# Altium PCB AIWAC-bolster-V02_Change_comment.PcbDoc (part 2 of 2)
Units mm, origin at the board's own origin, x right, y up, seen from the top; angles counter-clockwise.
Board outline 76 x 70 mm, 2 copper layers (Top Layer, Bottom Layer); 187 components, 126 nets, 678 pads, 558 vias.
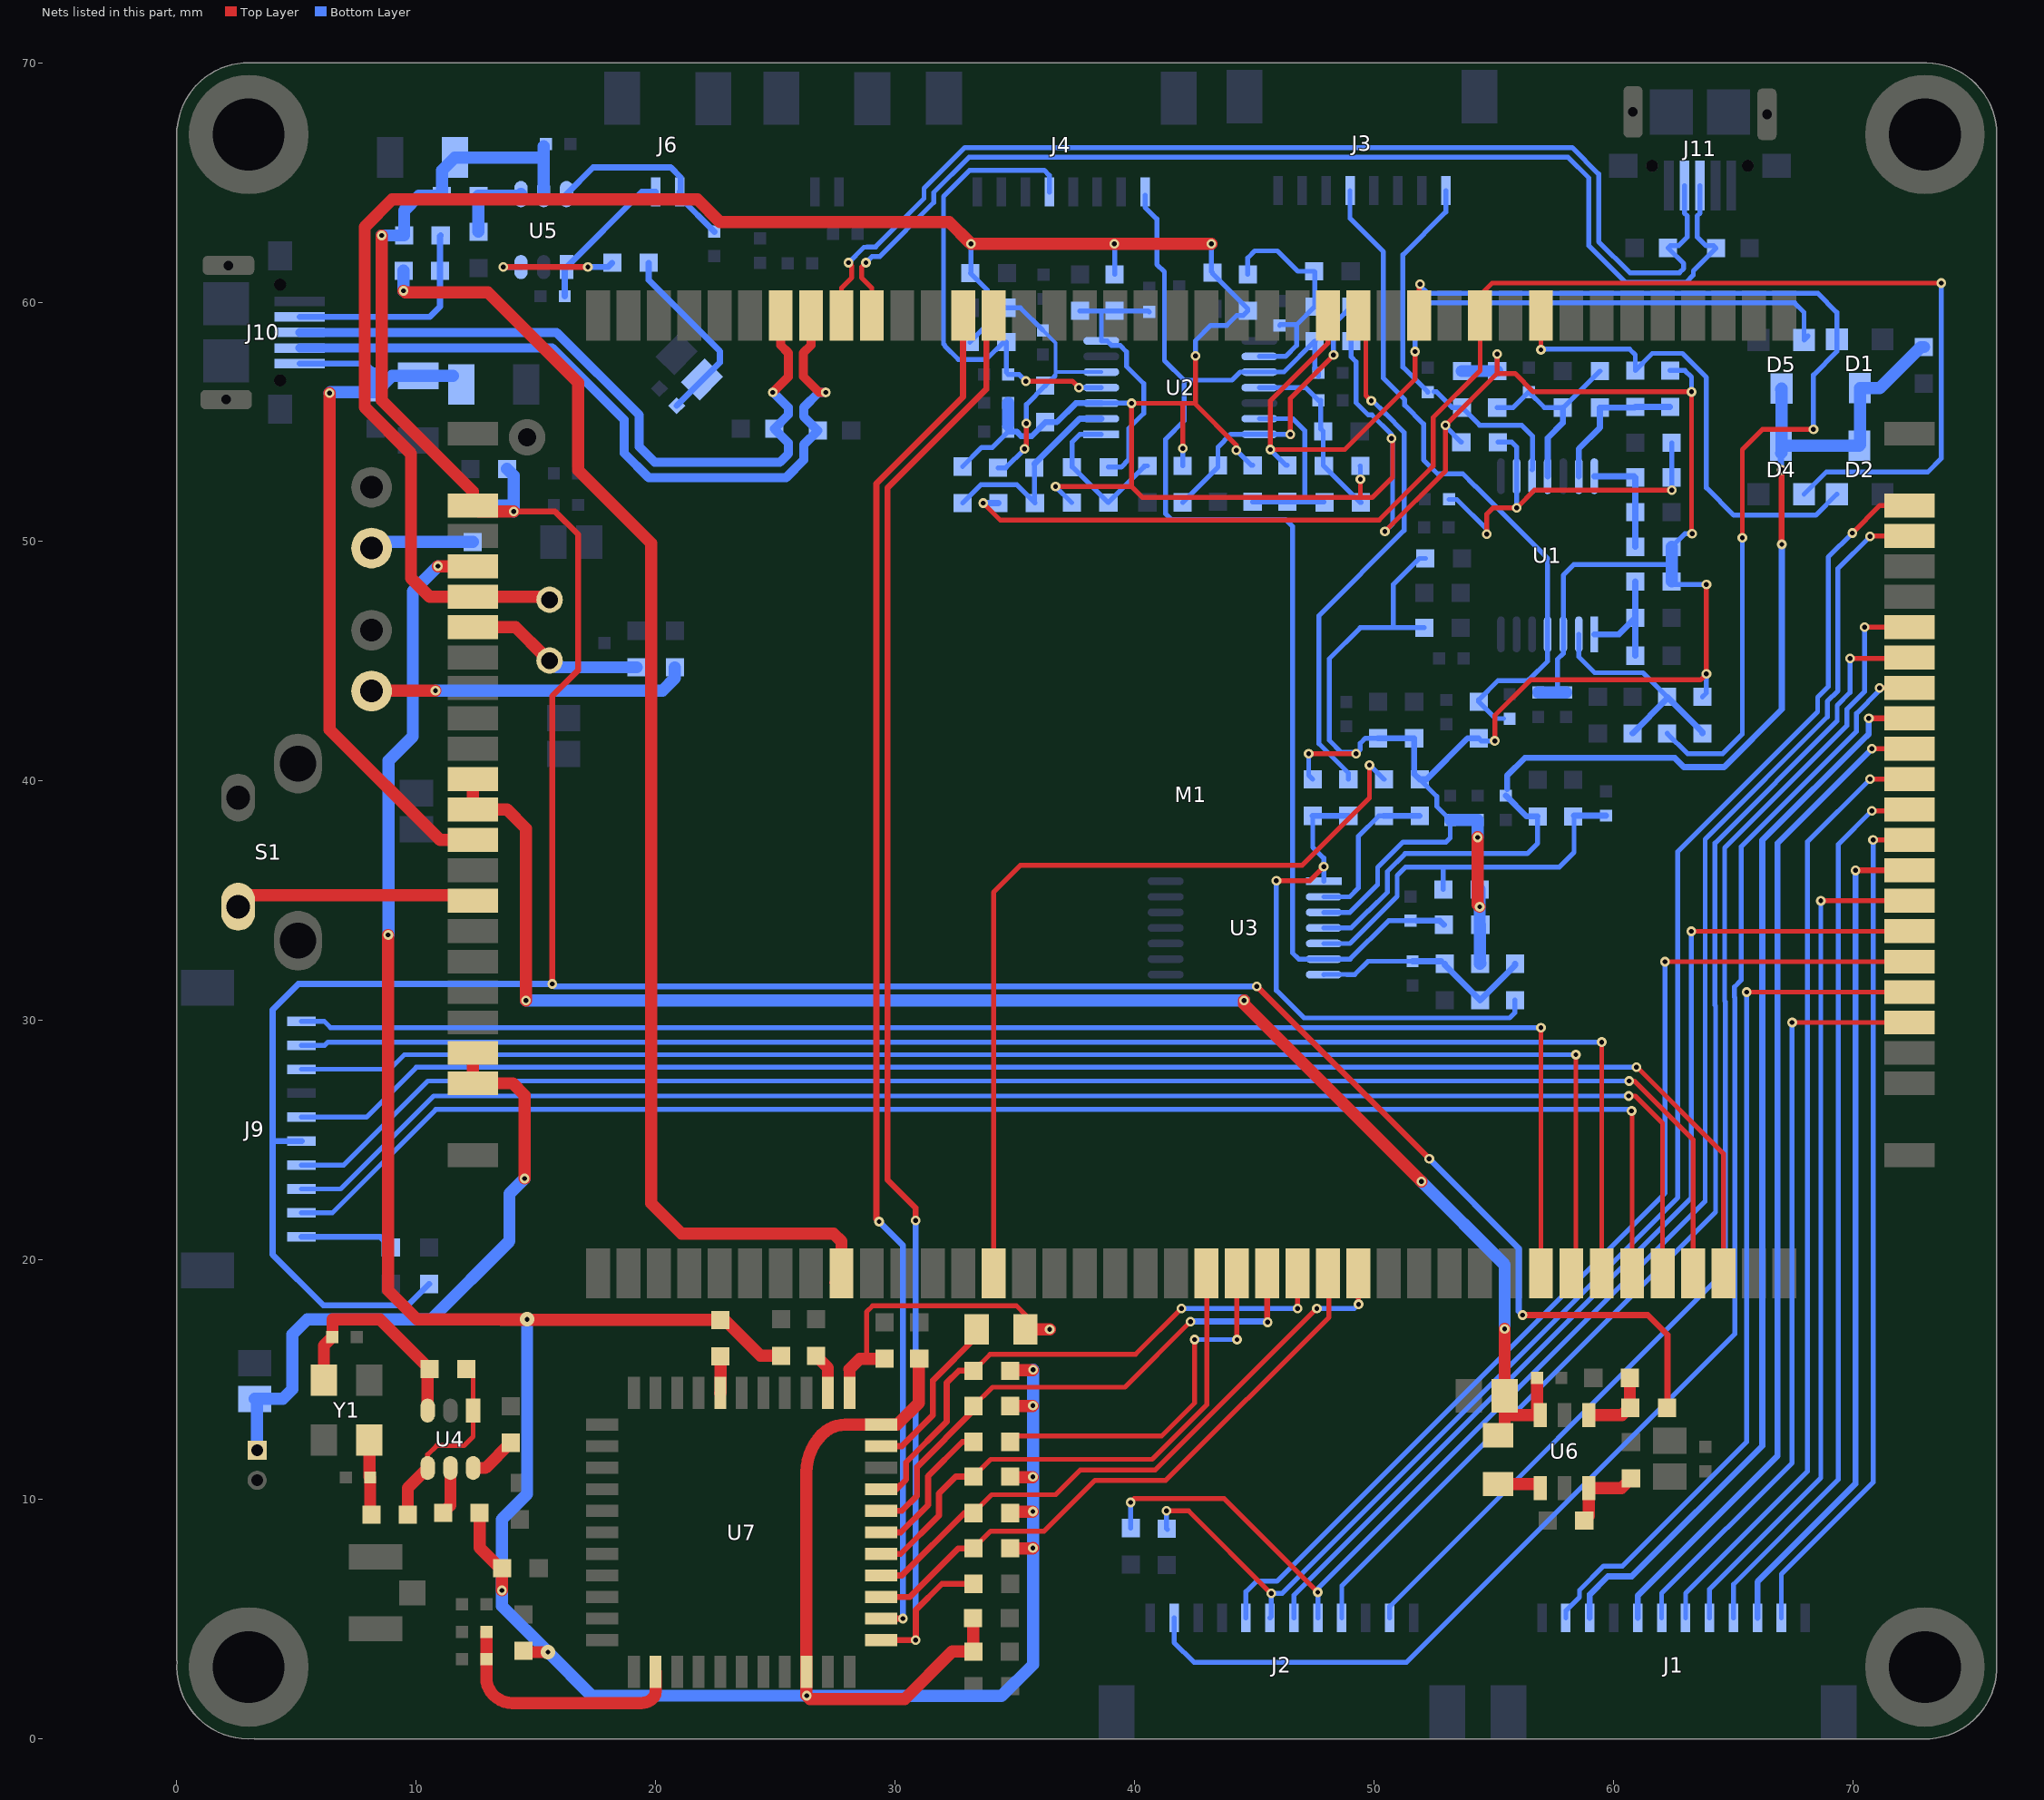
[diagram p2: the nets of this part, all layers, seen from the top]

## Via types
v1: diameter 0.508, hole 0.305, Top Layer to Bottom Layer, tented both sides, 304 vias
v2: diameter 0.406, hole 0.203, Top Layer to Bottom Layer, tented both sides, 159 vias
v3: diameter 0.406, hole 0.201, Top Layer to Bottom Layer, tented both sides, 74 vias
v4: diameter 0.6, hole 0.2, Top Layer to Bottom Layer, tented both sides, 10 vias
v5: diameter 0.7, hole 0.3, Top Layer to Bottom Layer, tented both sides, 5 vias
v6: diameter 0.7, hole 0.201, Top Layer to Bottom Layer, tented both sides, 2 vias
v7: diameter 0.402, hole 0.201, Top Layer to Bottom Layer, tented both sides, 2 vias
v8: diameter 0.6, hole 0.201, Top Layer to Bottom Layer, tented both sides, 2 vias

## Nets (pads, with @x,y where several pads share a name; then routed paths per layer and width w, separated by ;. In a path a pad name is that pad's centre, name@x,y a point inside that pad or via, vN(x,y) a via of type N, cw(c..) or ccw(c..) an arc to the next point about the centre after c; other vN are vias at no path point) (continued)
NetC7_1: C7.1 R15.2 R19.2 R24.2 U1.9 | length 16.6
  Top Layer w0.203: v2(54.705,50.314) 54.705,51.155 54.956,51.406 v2(55.95,51.406) 56.693,52.15 v3(62.425,52.15)
  Bottom Layer w0.203: C7.1@53.13,51.762 53.45,51.762 54.705,50.507 v2(54.705,50.314) ; R15.2@55.162,54.15 55.746,54.15 55.945,53.951 U1.9@55.945,52.727 55.945,51.411 v2(55.95,51.406) ; v3(62.425,52.15) 62.427,52.152 R19.2@62.427,52.676 R24.2@62.427,54.124
NetC15_1: C15.1 R35.2 R46.2 R49.2 U2.7 | length 11.5
  Bottom Layer w0.203: R49.2@37.712,59.636 38.627,59.636 ; R46.2@38.906,53.108 39.433,53.108 39.75,53.425 39.75,54.725 40.379,55.354 40.379,56.596 39.66,57.315 39.66,57.924 39.388,58.196 39.029,58.196 38.844,58.381 U2.7@38.605,58.381 38.605,59.615 38.627,59.636 ; C15.1@40.608,59.585 40.557,59.636 R35.2@39.16,59.636 38.627,59.636
NetC16_1: C16.1 R36.2 R42.2 R45.2 U2.5 | length 11
  Top Layer w0.203: v2(35.401,53.87) 35.477,53.946 v2(35.477,54.937)
  Bottom Layer w0.152: C16.1@36.163,58.823 36.696,58.29 36.696,57.096 ; 36.671,56.918 36.696,56.944 36.696,57.096 ; U2.5@38.605,57.081 36.711,57.081 36.696,57.096
  Bottom Layer w0.203: R42.2@34.287,53.083 34.614,53.083 v2(35.401,53.87) ; R45.2@34.639,59.763 35.223,59.763 C16.1@36.163,58.823 ; v2(35.477,54.937) 35.477,55.724 R36.2@36.265,56.512 36.671,56.918
NetC17_1: C17.1 R40.2 R43.2 R47.2 U2.9 | length 9.8
  Bottom Layer w0.203: R40.2@44.723,61.16 44.723,61.848 45.017,62.142 45.96,62.142 46.815,61.287 R47.2@47.491,61.287 47.517,61.262 R43.2@47.517,59.814 46.762,59.059 ; U2.9@45.205,57.731 46.298,57.731 46.762,58.196 46.762,59.059 ; C17.1@46.05,59.025 46.084,59.059 46.762,59.059
NetC18_1: C18.1 R41.2 R44.2 R48.2 U2.11 | length 7.8
  Bottom Layer w0.203: U2.11@45.205,56.431 47.14,56.431 C18.1@47.669,55.902 47.771,55.902 47.771,54.708 R48.2@47.872,54.607 47.872,53.184 R41.2@47.898,53.159 49.422,51.635 R44.2@49.447,51.635
NetC22_2: C22.2 D1.3 D2.3 D3.1 D4.3 D5.3 R52.2 U3.4 | length 49.7
  Top Layer w0.254: v2(67.011,52.994) 67.011,49.895 v2(67.024,49.882)
  Bottom Layer w0.203: U3.4@47.894,33.865 49.033,33.865 49.743,34.576 49.771,34.576 50.552,35.357 50.552,36.223 51.297,36.969 56.394,36.969 56.827,37.402 R52.2@56.827,38.525
  Bottom Layer w0.254: C22.2@55.5,39.391 56.366,38.525 R52.2@56.827,38.525 ; 55.55,39.675 55.55,40.225 56.292,40.967 62.554,40.967 62.935,40.586 64.612,40.586 67.024,42.998 v2(67.024,49.882) ; D4.3@66.986,53.693 66.986,53.019 v2(67.011,52.994)
  Bottom Layer w0.508: D4.3@66.986,53.693 67.011,53.718 D4.3@67.011,54.01 ; D5.3@66.986,56.36 D5.3@67.011,56.385 D4.3@67.011,54.01 ; D3.1@72.958,58.125 72.828,58.125 71.114,56.41 D1.3@70.288,56.41 70.288,54.035 D2.3@70.262,54.01 D4.3@67.011,54.01
NetC26_1: C26.1 R57.2 R60.1 R61.2 U3.7 | length 9.4
  Bottom Layer w0.203: U3.7@47.894,31.915 47.903,31.925 48.861,31.925 48.87,31.915 49.184,31.915 49.743,32.474 C26.1@51.601,32.474
  Bottom Layer w0.254: C26.1@51.601,32.474 R61.2@52.795,32.474 ; R61.2@52.948,32.373 52.948,32.322 R57.2@54.421,30.849 55.881,32.309 R60.1@55.881,32.373
NetC27_1: C27.1 R58.1 R59.2 U3.5 | length 16.4
  Bottom Layer w0.203: U3.5@47.894,33.215 48.985,33.215 50.958,35.188 50.958,36.055 51.315,36.411 52.925,36.411 ; R58.1@52.884,35.472 52.884,36.371 52.925,36.411 ; R59.2@58.347,38.556 58.347,37.022 57.736,36.411 52.925,36.411
  Bottom Layer w0.254: R59.2@58.347,38.556 C27.1@59.678,38.556
NetC34_1: C34.1 R62.2 Y1.1 | length 3.1
  Top Layer w0.5: Y1.1@8.04,12.483 8.04,10.949 C34.1@8.071,10.919 8.071,9.42 R62.2@8.121,9.369
NetC36_1: C36.1 J6.2 U5.6 | length 8.3
  Bottom Layer w0.254: U5.6@16.27,64.513 17.382,65.625 20.625,65.625 21.037,65.213 J6.2@21.037,64.6 ; J6.2@21,64.6 21,64.385 C36.1@22.447,62.938
NetC37_1: C37.1 C101.2 R100.1 | length 7.9
  Bottom Layer w0.254: R100.1@19.704,61.643 19.704,60.921 22.675,57.95 22.675,57.476 C37.1@20.872,55.674
NetC40_1: C40.1 J6.1 U5.1 | length 6.3
  Bottom Layer w0.254: C40.1@16.199,60.246 16.199,61.392 U5.1@16.27,61.463 19.407,64.6 J6.1@20,64.6
NetC45_1: C45.1 R65.1 U4.3 Y1.3 | length 9.4
  Top Layer w0.5: Y1.3@6.14,14.983 6.14,16.431 C45.1@6.496,16.786 6.496,17.523 8.477,17.523 R65.1@10.56,15.44
  Top Layer w0.508: U4.3@10.473,13.713 10.473,15.354 R65.1@10.56,15.44
NetC48_2: C48.2 R101.2 U7.2 | length 10.6
  Top Layer w0.508: R101.2@12.925,4.475 C48.2@12.925,3.325 12.925,2.549 ccw(c13.949,2.549) 13.225,1.825 ccw(c14.01,2.61) 14.01,1.5 19.392,1.5 ccw(c19.392,2.183) 19.875,1.7 ccw(c19.597,1.978) 19.99,1.978 U7.2@19.99,2.798
NetC56_2: C56.2 L2.2 U7.23 | length 13.1
  Top Layer w0.203: 28.8,15.876 28.8,17.834 29.054,18.088 35.062,18.088 35.432,17.718 L2.2@35.432,17.1
  Top Layer w0.5: U7.23@28.09,14.448 28.09,15.44
  Top Layer w0.508: 28.09,15.44 28.526,15.876 28.8,15.876 C56.2@29.559,15.876 ; L2.2@35.432,17.1 v3(36.45,17.1)
NetD6_A: D6.A R83.1 | length 13.3
  Top Layer w0.508: D6.A@8.128,43.761 8.142,43.775 v3(10.8,43.775)
  Bottom Layer w0.508: v3(10.8,43.775) 20.277,43.775 20.796,44.294 R83.1@20.796,44.752
NetD7_A: D7.A R92.1 | length 4.3
  Bottom Layer w0.508: D7.A@8.128,49.73 8.382,49.984 R92.1@12.358,49.984
NetJ9_1: J9.1 R69.2 | length 3.9
  Bottom Layer w0.254: J9.1@5.207,20.965 8.489,20.965 R69.2@8.934,20.52
NetJ10_4: J10.4 R70.2 R71.1 | length 9
  Bottom Layer w0.254: J10.4@5.132,59.382 10.56,59.382 10.992,59.814 R70.2@10.992,61.312 10.992,62.76 R71.1@11.017,62.786
NetL2_1: L2.1 U7.21 | length 7
  Top Layer w0.254: U7.21@29.415,12.223 30.273,12.223 31.575,13.525 31.575,14.975 33.4,16.8 L2.1@33.4,17.1
NetL3_2: L3.2 U6.1 | length 1.8
  Top Layer w0.508: L3.2@55.175,10.643 56.766,10.643 U6.1@56.934,10.475
NetR3_1: R3.1 R9.1 R18.1 U1.1 | length 5.1
  Bottom Layer w0.254: U1.1@59.195,46.127 60.221,46.127 R9.1@60.903,46.809 ; R18.1@60.903,45.234 R9.1@60.903,46.809 ; R3.1@60.903,48.333 R9.1@60.903,46.809
NetR4_1: R4.1 R10.1 R17.1 U1.2 | length 9.6
  Bottom Layer w0.203: U1.2@58.545,46.127 58.545,45.186 59.208,44.523 61.228,44.523 R10.1@62.236,43.515 R10.1@62.236,43.439
  Bottom Layer w0.254: R17.1@60.788,41.991 R10.1@62.236,43.439 ; R10.1@62.236,43.515 63.709,42.042 R4.1@63.709,41.991
NetR7_1: R7.1 R13.1 R19.1 U1.14 | length 4.6
  Bottom Layer w0.254: U1.14@59.195,52.727 60.852,52.727 R19.1@60.903,52.676 R13.1@60.903,51.229 R7.1@60.903,49.781
NetR8_1: R8.1 R14.1 R20.1 U1.13 | length 6.2
  Bottom Layer w0.254: U1.13@58.545,52.727 58.545,53.875 59.429,54.759 R20.1@59.429,55.597 60.877,55.597 R14.1@60.903,55.623 R8.1@62.357,55.623
NetR27_1: R27.1 R33.1 R46.1 U2.1 | length 6.8
  Bottom Layer w0.203: U2.1@38.605,54.481 37.714,54.481 37.382,54.15 R46.1@37.382,53.108 37.417,53.108 R27.1@38.9,51.625 40.394,53.119 40.394,53.159 R33.1@40.532,53.159
NetR28_1: R28.1 R34.1 R42.1 U2.2 | length 8.8
  Bottom Layer w0.203: R28.1@32.81,51.61 33.572,52.372 35.085,52.372 R34.1@35.811,51.645 ; R42.1@35.811,53.239 R42.1@35.811,53.083 R34.1@35.811,51.645 ; R34.1@35.837,51.62 R34.1@35.811,51.645
  Bottom Layer w0.254: R42.1@35.811,53.239 37.703,55.131 U2.2@38.605,55.131
NetR31_1: R31.1 R37.1 R43.1 U2.14 | length 12.7
  Top Layer w0.203: v2@46.579,54.404 v2(46.502,54.481) 46.502,55.986 v2(48.304,57.788)
  Bottom Layer w0.203: R31.1@42.005,51.635 43.478,53.108 R37.1@43.478,53.184 43.478,53.946 44.013,54.481 U2.14@45.205,54.481 v2(46.502,54.481) ; v2(48.304,57.788) 48.304,59.077 R43.1@49.041,59.814
NetR32_1: R32.1 R38.1 R44.1 U2.13 | length 8.1
  Bottom Layer w0.203: R32.1@44.926,51.66 R38.1@46.374,51.66 47.085,51.66 ; U2.13@45.205,55.131 46.606,55.131 47.11,54.626 47.11,51.686 47.085,51.66 ; R44.1@47.898,51.66 47.085,51.66
NetR53_1: R53.1 R55.1 R60.2 U3.1 | length 22.3
  Top Layer w0.203: v2(45.917,35.836) 47.31,35.836 v2(47.894,36.42)
  Bottom Layer w0.203: v2(45.917,35.836) 45.917,31.258 47.069,30.106 55.656,30.106 55.881,30.331 R60.2@55.881,30.849 ; R53.1@47.436,38.548 47.436,37.238 47.894,36.78 v2(47.894,36.42) U3.1@47.894,35.815
  Bottom Layer w0.254: R53.1@47.436,38.548 R55.1@48.924,38.548
NetR54_1: R54.1 R56.1 U3.2 | length 6.7
  Bottom Layer w0.203: U3.2@47.894,35.165 48.98,35.165 49.337,35.523 49.337,37.69 50.194,38.548 R56.1@50.412,38.548
  Bottom Layer w0.254: R56.1@50.412,38.548 R54.1@51.901,38.548
NetR62_1: R62.1 R65.2 U4.1 U4.4 | length 8
  Top Layer w0.203: U4.4@10.473,11.313 10.473,11.873 10.85,12.25 11.11,12.25 11.119,12.241 11.991,12.241 12.373,12.623 U4.1@12.373,13.713 12.373,15.15 R65.2@12.084,15.44
  Top Layer w0.5: R62.1@9.645,9.369 9.645,10.485 U4.4@10.473,11.313
NetR63_2: R63.2 U4.6 | length 2
  Top Layer w0.5: U4.6@12.373,11.313 12.884,11.313 R63.2@13.938,12.367
NetR64_2: R64.2 U4.5 | length 2
  Top Layer w0.5: R64.2@11.119,9.446 11.423,9.75 U4.5@11.423,11.313
NetR66_2: R66.2 R67.2 U5.4 | length 3.3
  Bottom Layer w0.508: R67.2@12.592,62.938 R66.2@12.592,64.437 14.294,64.437 U5.4@14.37,64.513
NetR75_1: R75.1 U7.29 | length 1.5
  Top Layer w0.508: U7.29@22.69,14.448 22.701,14.459 R75.1@22.701,15.973
NetR79_1: R79.1 U7.24 | length 1.8
  Top Layer w0.5: R79.1@26.689,15.999 27.19,15.498 U7.24@27.19,14.448
NetR84_1: R84.1 U7.17 | length 6.1
  Top Layer w0.254: U7.17@29.415,8.623 30.223,8.623 31.368,9.768 31.368,10.968 32.803,12.403 R84.1@33.273,12.403
NetR100_2: R100.2 U5.3 | length 5.4
  Top Layer w0.254: v7(13.631,61.463) 17.162,61.463 v7(17.164,61.465)
  Bottom Layer w0.254: v7(13.631,61.463) U5.3@14.37,61.463 ; v7(17.164,61.465) 18.002,61.465 R100.2@18.18,61.643
NetR102_2: R102.2 R103.2 U6.4 | length 3.1
  Top Layer w0.504: R102.2@60.675,13.851 R103.2@60.675,15.075
  Top Layer w0.508: U6.4@58.966,13.523 60.347,13.523 R102.2@60.675,13.851
NetR104_1: R104.1 R105.2 U6.3 | length 3.4
  Top Layer w0.508: R105.2@58.774,9.125 58.966,9.317 U6.3@58.966,10.475 60.324,10.475 R104.1@60.725,10.876
PE0_CSI-PCLK: J1.7 M1.63 | length 32
  Top Layer w0.203: v2(67.456,29.918) M1.63@72.358,29.918
  Bottom Layer w0.203: J1.7@62.005,5.052 62.005,6.08 67.456,11.531 v2(67.456,29.918)
PE1_CSI-MCLK: J1.11 M1.64 | length 36.5
  Top Layer w0.203: v2(65.551,31.188) M1.64@72.358,31.188
  Bottom Layer w0.203: J1.11@58.005,5.052 58.005,5.355 58.573,5.923 58.573,6.21 59.579,7.216 60.366,7.216 65.551,12.401 v2(65.551,31.188)
PE2_CSI-HSYNC: J2.8 M1.65 | length 45.4
  Top Layer w0.203: v2(62.147,32.458) M1.65@72.358,32.458
  Bottom Layer w0.203: J2.8@44.647,5.052 44.647,6.147 45.083,6.583 45.933,6.583 62.147,22.797 v2(62.147,32.458)
PE3_CSI-VSYNC: J2.6 M1.66 | length 44.7
  Top Layer w0.203: v2(63.239,33.728) M1.66@72.358,33.728
  Bottom Layer w0.203: J2.6@46.647,5.052 46.647,5.997 63.239,22.589 v2(63.239,33.728)
PE4_CSI-D0: J1.5 M1.67 | length 35.6
  Top Layer w0.203: v2(68.65,34.998) M1.67@72.358,34.998
  Bottom Layer w0.203: J1.5@64.005,5.052 64.005,6.255 68.65,10.9 v2(68.65,34.998)
PE5_CSI-D1: J1.3 M1.68 | length 35.2
  Top Layer w0.254: v2(70.097,36.268) M1.68@72.358,36.268
  Bottom Layer w0.254: J1.3@66.005,5.052 66.005,6.555 70.097,10.647 v2(70.097,36.268)
PE6_CSI-D2: J1.2 M1.69 | length 35.6
  Top Layer w0.203: v2(70.834,37.538) M1.69@72.358,37.538
  Bottom Layer w0.203: J1.2@67.005,5.052 67.005,6.883 70.834,10.712 v2(70.834,37.538)
PE7_CSI-D3: J1.4 M1.70 | length 37.7
  Top Layer w0.203: v2(70.783,38.757) 72.307,38.757 M1.70@72.358,38.808
  Bottom Layer w0.203: J1.4@65.005,5.052 65.005,6.455 69.386,10.836 69.386,37.36 v2(70.783,38.757)
PE8_CSI-D4: J1.6 M1.71 | length 39.9
  Top Layer w0.203: v2(70.707,40.078) M1.71@72.358,40.078
  Bottom Layer w0.203: J1.6@63.005,5.052 63.005,6.08 68.091,11.166 68.091,37.462 v2(70.707,40.078)
PE9_CSI-D5: J1.8 M1.72 | length 41.9
  Top Layer w0.203: v2(70.783,41.348) M1.72@72.358,41.348
  Bottom Layer w0.254: J1.8@61.005,5.052 61.005,5.98 66.846,11.821 66.846,37.411 v2(70.783,41.348)
PE10_CSI-D6: J1.10 M1.73 | length 44.7
  Top Layer w0.254: v2(70.656,42.618) M1.73@72.358,42.618
  Bottom Layer w0.254: J1.10@59.005,5.052 59.005,6.031 59.758,6.784 60.759,6.784 66.211,12.236 66.211,37.53 70.562,41.881 70.581,41.881 70.656,41.956 v2(70.656,42.618)
PE11_CSI-D7: J2.11 M1.74 | length 61.2
  Top Layer w0.203: v3(71.1,43.888) M1.74@72.358,43.888
  Bottom Layer w0.203: J2.11@41.647,5.052 41.647,4.028 42.475,3.2 51.35,3.2 65.068,16.918 65.068,30.952 65.043,30.978 65.043,31.398 65.325,31.681 65.325,37.255 70.145,42.075 70.145,42.825 71.1,43.78 v3(71.1,43.888)
PE12_CSI-SCK: J2.4 M1.75 | length 51.4
  Top Layer w0.203: v2(69.875,45.125) 72.325,45.125 M1.75@72.358,45.158
  Bottom Layer w0.203: J2.4@48.647,5.052 48.647,6.397 64.255,22.005 64.255,30.616 64.23,30.641 64.23,37.405 69.332,42.507 69.332,43.162 69.875,43.705 v2(69.875,45.125)
PE13_CSI-SDA: J2.2 M1.76 | length 51.5
  Top Layer w0.203: v2(70.475,46.425) 72.355,46.425 M1.76@72.358,46.428
  Bottom Layer w0.203: J2.2@50.647,5.052 50.647,5.522 64.662,19.537 64.662,30.784 64.636,30.809 64.636,37.211 69.738,42.313 69.738,42.993 70.475,43.73 v2(70.475,46.425)
PE16_CSI-RST-F: J2.5 M1.79 R50.2 | length 67
  Top Layer w0.203: v3(39.825,9.875) 39.983,10.033 43.739,10.033 v3(47.647,6.125) ; v2(70.707,50.213) 70.732,50.238 M1.79@72.358,50.238
  Bottom Layer w0.203: v3(39.825,9.875) 39.834,9.866 R50.2@39.834,8.804 ; J2.5@47.647,5.052 v3(47.647,6.125) 47.647,6.272 63.824,22.449 63.824,37.573 68.926,42.675 68.926,43.33 69.367,43.771 69.367,48.873 v2(70.707,50.213)
PE17_CSI-STBY-F: J2.7 M1.80 R39.1 | length 65.1
  Top Layer w0.203: v3(41.325,9.525) 42.25,9.525 v2(45.7,6.075) ; v3(69.97,50.358) 71.121,51.508 M1.80@72.358,51.508
  Bottom Layer w0.203: v3(41.325,9.525) 41.325,8.787 R39.1@41.333,8.779 R39.1@41.358,8.754 ; J2.7@45.647,5.052 45.7,5.105 v2(45.7,6.075) 46.15,6.075 62.681,22.606 62.681,37.056 68.519,42.894 68.519,43.498 68.961,43.94 68.961,49.348 v3(69.97,50.358)
POWERKEY: M1.14 S1.2 | length 10.1
  Top Layer w0.508: S1.2@2.56,34.75 3.037,35.227 12.129,35.227 M1.14@12.358,34.998
PS: C103.1 C104.2 L3.1 M1.10 M1.11 U6.6 | length 66.9
  Top Layer w0.508: M1.10@12.358,40.078 M1.11@12.358,38.808 13.792,38.808 14.582,38.018 v3(14.582,30.832) ; v3(44.568,30.832) 44.568,30.682 v3(51.975,23.275) ; L3.1@55.175,12.675 55.45,12.95 55.45,13.475 ; v3(55.45,17.125) C103.1@55.45,14.325 55.45,13.475 ; C104.2@56.8,15.075 56.8,13.657 U6.6@56.934,13.523 55.498,13.523 55.45,13.475
  Bottom Layer w0.508: v3(14.582,30.832) v3(44.568,30.832) ; v3(51.975,23.275) 55.45,19.8 v3(55.45,17.125)
REFERENCE_R1: C8.1 R16.2 R20.2 R22.2 U1.11 | length 8.6
  Bottom Layer w0.203: R16.2@55.137,55.597 55.81,55.597 C8.1@56.458,56.245 57.105,55.597 R22.2@57.88,55.597 57.905,55.597 R20.2@59.429,57.121
  Bottom Layer w0.254: U1.11@57.245,52.727 57.245,54.327 57.88,54.962 R22.2@57.88,55.597
RIGHT-F: D2.2 M1.89 R14.2 | length 20.7
  Top Layer w0.203: M1.89@56.963,59.443 56.963,58.013 v2(56.966,58.01)
  Bottom Layer w0.203: v2(56.966,58.01) 56.988,58.033 60.667,58.033 60.903,57.797 R14.2@60.903,57.147 61.614,57.858 62.867,57.858 63.874,56.851 63.874,52.245 65.017,51.102 68.446,51.102 D2.2@69.323,51.978
RIGHT-H: D1.1 M1.93 R10.2 | length 43.6
  Top Layer w0.203: M1.93@51.883,59.443 51.883,60.717 v2(51.916,60.75) ; v2(65.373,50.162) 65.373,53.845 66.211,54.683 v2(68.345,54.683)
  Bottom Layer w0.203: v2(51.916,60.75) 51.916,60.684 52.227,60.373 68.523,60.373 69.323,59.573 D1.1@69.323,58.442 69.323,57.934 68.345,56.957 v2(68.345,54.683) ; R10.2@62.236,41.991 63.082,41.145 64.56,41.145 65.373,41.958 v2(65.373,50.162)
RIGHT-L: D4.1 M1.91 R34.2 | length 61.7
  Top Layer w0.203: v3(33.674,51.61) 34.385,50.898 50.205,50.898 52.464,53.157 52.464,55.185 54.423,57.144 M1.91@54.423,59.443 54.423,60.294 54.927,60.798 v3(73.677,60.798)
  Bottom Layer w0.203: D4.1@67.951,51.978 68.878,52.905 73.12,52.905 73.677,53.462 v3(73.677,60.798)
  Bottom Layer w0.254: v3(33.674,51.61) R34.2@34.309,51.61
RIGHTF: C4.2 J3.8 R6.1 U1.10 | length 15.9
  Bottom Layer w0.203: C4.2@52.241,56.245 51.2,57.286 51.2,61.973 52.99,63.763 J3.8@52.99,64.66 ; 52.495,56.253 52.601,56.253 53.257,55.597 R6.1@53.664,55.597 54.4,54.861 56.153,54.861 56.61,54.404 56.61,53.022 U1.10@56.595,53.007
RIGHTH: C2.2 J3.4 R2.1 U1.4 | length 28.7
  Bottom Layer w0.203: J3.4@48.99,64.66 48.99,63.497 50.387,62.1 50.387,56.817 51.276,55.928 51.276,55.697 52.063,54.909 52.063,53.412 52.646,52.829 53.698,52.829 54.206,52.321 54.213,52.321 57.245,49.289 U1.4@57.245,46.127 57.245,45.006 56.491,44.251 56.471,44.251 56.413,44.193 55.162,44.193 54.362,43.393 R2.1@54.362,43.312 55.065,42.608 55.402,42.608
RIGHTL: C12.2 J4.4 R26.1 U2.4 | length 20.5
  Top Layer w0.203: v2(35.45,56.7) 37.397,56.7 v2(37.666,56.431)
  Bottom Layer w0.203: v2(35.45,56.7) 35.166,56.984 C12.2@34.719,56.984 34.639,57.064 R26.1@34.639,58.33 34.527,58.33 33.801,57.604 32.632,57.604 32.074,58.163 32.074,58.195 32.016,58.254 32.016,64.414 33.107,65.505 36.22,65.505 36.433,65.292 J4.4@36.433,64.6 ; v2(37.666,56.431) U2.4@38.605,56.431
SDC0-CLK: J9.6 M1.58 | length 66.6
  Top Layer w0.203: v3@61.027,27.999 64.583,24.442 M1.58@64.583,19.443
  Bottom Layer w0.203: J9.6@5.207,25.965 7.915,25.965 10,28.05 v3(60.95,28.05)
SDC0-CMD: J9.4 M1.57 | length 66.2
  Top Layer w0.203: v2(60.65,27.475) 60.863,27.475 63.313,25.025 M1.57@63.313,19.443
  Bottom Layer w0.203: J9.4@5.207,23.965 6.965,23.965 10.475,27.475 v2(60.65,27.475)
SDC0-D0: J9.8 M1.53 | length 62.7
  Top Layer w0.203: M1.53@58.233,19.443 58.425,19.635 v2(58.425,28.575)
  Bottom Layer w0.203: J9.8@5.207,27.965 8.892,27.965 9.502,28.575 v2(58.425,28.575)
SDC0-D1: J9.9 M1.54 | length 64
  Top Layer w0.203: M1.54@59.503,19.443 v2(59.503,29.1)
  Bottom Layer w0.203: J9.9@5.207,28.965 6.175,28.965 6.31,29.1 v2(59.503,29.1)
SDC0-D2: J9.2 M1.55 | length 64.1
  Top Layer w0.203: v2(60.75,26.225) 60.773,26.202 M1.55@60.773,19.443
  Bottom Layer w0.203: J9.2@5.207,21.965 6.49,21.965 10.81,26.285 60.69,26.285 v2(60.75,26.225)
SDC0-D3: J9.3 M1.56 | length 65.2
  Top Layer w0.203: v2(60.628,26.851) 60.899,26.851 62.043,25.707 M1.56@62.043,19.443
  Bottom Layer w0.203: J9.3@5.207,22.965 6.84,22.965 10.726,26.851 v2(60.628,26.851)
SDIO-CLK: M1.42 R84.2 | length 15.6
  Top Layer w0.203: R84.2@34.797,12.403 35.044,12.65 41.125,12.65 42.5,14.025 v3(42.5,16.675) ; M1.42@44.263,19.443 44.263,16.687 v3(44.275,16.675)
  Bottom Layer w0.203: v3(42.5,16.675) v3(44.275,16.675)
SDIO-CMD: M1.41 R89.2 U7.16 | length 22.5
  Top Layer w0.203: R89.2@33.273,10.956 33.992,11.675 40.727,11.675 43.008,13.956 43.008,19.428 M1.41@42.993,19.443
  Top Layer w0.254: U7.16@29.415,7.723 30.223,7.723 31.825,9.325 31.825,10.25 32.531,10.956 R89.2@33.273,10.956 ; M1.41@42.792,19.242 M1.41@42.993,19.443
SDIO-D0: M1.43 R90.2 U7.18 | length 22.3
  Top Layer w0.203: R90.2@33.273,13.902 34.06,14.689 39.59,14.689 v3(42.325,17.425)
  Top Layer w0.254: U7.18@29.415,9.523 30.273,9.523 30.911,10.161 30.911,11.361 33.273,13.723 R90.2@33.273,13.902 ; M1.43@45.533,19.443 45.533,17.417 v3(45.55,17.4)
  Bottom Layer w0.254: v3@42.325,17.4 42.358,17.433 45.517,17.433 v3(45.55,17.4)
SDIO-D1: M1.44 R91.2 U7.19 | length 23.4
  Top Layer w0.203: R91.2@33.273,15.375 33.959,16.061 40.036,16.061 41.975,18 41.972,18 v3(41.95,17.978) ; v3(46.803,17.978) M1.44@46.803,19.443
  Top Layer w0.254: U7.19@29.415,10.423 30.048,10.423 30.453,10.828 30.453,11.553 32.15,13.25 32.15,14.875 32.65,15.375 R91.2@33.273,15.375
  Bottom Layer w0.203: v3(41.95,17.978) v3(46.803,17.978)
SDIO-D2: M1.45 R87.2 U7.14 | length 25.4
  Top Layer w0.203: R87.2@33.273,7.958 33.99,8.675 36.223,8.675 38.348,10.8 41.3,10.8 48.11,17.61 48.11,19.406 M1.45@48.073,19.443
  Top Layer w0.254: U7.14@29.415,5.923 30.598,5.923 32.633,7.958 R87.2@33.273,7.958
SDIO-D3: M1.46 R88.2 U7.15 | length 25.9
  Top Layer w0.203: R88.2@33.273,9.432 33.273,9.448 34.025,10.2 36.7,10.2 37.725,11.225 40.851,11.225 v3(47.602,17.976) ; M1.46@49.343,19.443 49.343,18.157 v3(49.35,18.15)
  Top Layer w0.254: U7.15@29.415,6.823 30.273,6.823 32.882,9.432 R88.2@33.273,9.432
  Bottom Layer w0.203: v3(47.602,17.976) 49.176,17.976 v3(49.35,18.15)
T-CARD-DET: J9.10 M1.52 | length 62.1
  Top Layer w0.203: M1.52@56.963,19.443 v2(56.963,29.7)
  Bottom Layer w0.203: J9.10@5.207,29.965 6.15,29.965 6.415,29.7 v2(56.963,29.7)
TEMP: C50.1 M1.5 R76.2 RT1.1 | length 7.6
  Top Layer w0.254: M1.5@12.358,46.428 M1.5@12.77,46.428
  Top Layer w0.508: M1.5@12.77,46.428 14.139,46.428 15.344,45.223 15.344,45.17 15.483,45.031 RT1.1@15.564,45.031
  Bottom Layer w0.508: RT1.1@15.564,45.031 15.843,44.752 C50.1@17.85,44.752 R76.2@19.196,44.752
TOUCH-INT: M1.34 R56.2 | length 35.5
  Top Layer w0.203: M1.34@34.103,19.443 34.103,35.353 35.225,36.475 46.987,36.475 49.803,39.291 v2(49.803,40.662)
  Bottom Layer w0.203: v2(49.803,40.662) 49.822,40.662 R56.2@50.412,40.072
TUMMY: C14.2 C21.2 J4.8 R30.1 R51.1 U2.10 U3.6 | length 52.5
  Bottom Layer w0.203: J4.8@40.433,64.463 40.433,63.963 40.925,63.471 40.925,61.58 41.243,61.262 41.243,57.563 42.065,56.74 ; R30.1@47.542,58.366 R30.1@47.517,58.366 ; C14.2@47.669,56.893 C14.2@47.669,57.045 47.517,57.198 R30.1@47.517,58.366 ; 51.771,34.166 C21.2@51.517,34.166 50.596,34.166 48.996,32.565 U3.6@47.894,32.565 46.851,32.565 46.59,32.826 46.59,50.635 46.3,50.925 41.522,50.925 41.294,51.153 41.294,54.277 42.065,55.048 42.065,56.74 ; 42.065,56.74 44.062,56.74 44.403,57.081 U2.10@45.205,57.081 46.232,57.081 R30.1@47.517,58.366
  Bottom Layer w0.254: 51.771,34.166 52.742,34.166 R51.1@52.91,33.998
TUMMY1: D5.2 M1.96 R38.2 | length 35.6
  Top Layer w0.203: M1.96@48.073,59.443 48.073,58.287 45.663,55.877 v2(45.663,53.845) 48.771,53.845 51.708,56.782 v2(51.708,57.934)
  Bottom Layer w0.203: v2(45.663,53.845) 46.323,53.184 R38.2@46.374,53.184 ; v2(51.708,57.934) 51.708,59.508 52.166,59.966 67.559,59.966 67.951,59.574 D5.2@67.951,58.417 D5.2@68.116,58.582
TUMMY2: M1.95 R55.2 | length 22.2
  Top Layer w0.203: M1.95@49.343,59.443 49.65,59.136 49.65,56.105 v2(49.879,55.877)
  Bottom Layer w0.203: R55.2@48.924,40.072 48.924,40.328 47.695,41.558 47.695,46.911 51.251,50.467 51.251,54.565 50.463,55.353 50.463,55.36 49.946,55.877 v2(49.879,55.877)
USB-DM0: D22.2 J10.2 M1.113 pad.4@27.095,56.232 | length 32.2
  Top Layer w0.381: M1.113@26.483,59.443 26.483,58.203 26.166,57.885 26.166,56.893 26.826,56.232 pad.4@27.095,56.232
  Bottom Layer w0.381: J10.2@5.132,58.082 8.321,58.082 8.328,58.09 15.674,58.09 18.675,55.088 18.675,53.696 19.695,52.676 25.447,52.676 26.174,53.404 26.174,54.042 D22.2@26.765,54.632 26.174,55.223 26.174,55.597 26.809,56.232 pad.4@27.095,56.232
USB-DM1: D23.2 J11.3 M1.111 | length 47.7
  Top Layer w0.203: v3(28.775,61.65) 28.591,61.466 28.591,61.026 29.023,60.595 M1.111@29.023,59.443
  Bottom Layer w0.203: v3(28.775,61.65) 29.025,61.9 29.35,61.9 31.609,64.159 31.609,64.582 33.077,66.05 58.1,66.05 58.969,65.181 58.969,62.357 60.507,60.819 63.018,60.819 63.331,61.132 63.331,61.305 D23.2@64.277,62.25 64.175,62.352 63.858,62.352 63.485,62.725 63.485,63.594 63.607,63.716 J11.3@63.607,64.868
USB-DP0: D21.2 J10.3 M1.114 pad.4@24.885,56.232 | length 30.5
  Top Layer w0.381: pad.4@24.885,56.232 25.531,56.878 25.531,57.885 25.213,58.203 M1.114@25.213,59.443
  Bottom Layer w0.381: J10.3@5.132,58.732 8.321,58.732 8.328,58.725 15.865,58.725 19.31,55.279 19.31,53.959 19.958,53.311 25.184,53.311 25.539,53.667 25.539,54.118 D21.2@24.949,54.708 25.539,55.299 25.539,55.597 24.904,56.232 pad.4@24.885,56.232
USB-DP1: D24.2 J11.2 M1.112 | length 47.8
  Top Layer w0.203: M1.112@27.753,59.443 27.753,60.595 28.185,61.026 28.185,61.515 v3(28.05,61.65)
  Bottom Layer w0.203: v3(28.05,61.65) 28.691,62.291 28.805,62.291 28.82,62.306 29.181,62.306 31.203,64.328 31.203,64.75 32.909,66.456 58.268,66.456 59.375,65.35 59.375,62.525 60.675,61.225 62.75,61.225 62.925,61.4 62.925,61.611 D24.2@62.274,62.263 62.375,62.364 62.718,62.364 63.078,62.725 63.078,63.594 62.957,63.716 J11.2@62.957,64.868
USB-ID: M1.29 R70.1 | length 55.7
  Top Layer w0.254: M1.29@27.364,19.054 M1.29@27.753,19.443
  Top Layer w0.508: v2(9.468,60.474) 9.54,60.401 12.99,60.401 16.757,56.634 16.757,52.981 19.805,49.933 19.805,22.37 21.075,21.1 27.425,21.1 27.753,20.772 M1.29@27.753,19.443
  Bottom Layer w0.508: v2(9.468,60.474) R70.1@9.468,61.312
USBVBUS: C42.1 C43.1 C44.2 J10.1 M1.12 | length 31.5
  Top Layer w0.508: v2(6.375,56.2) 6.375,42.15 10.987,37.538 M1.12@12.358,37.538
  Bottom Layer w0.254: J10.1@5.132,57.432 7.887,57.432 8.299,57.02
  Bottom Layer w0.508: v2(6.375,56.2) 6.407,56.232 C44.2@8.299,56.232 ; 8.299,57.02 C44.2@8.299,56.232 ; C43.1@11.521,56.922 C42.1@10.077,56.922 8.989,56.922 C44.2@8.299,56.232
VBAT: C41.1 J8.1 M1.19 M1.20 | length 26.9
  Top Layer w0.508: M1.19@12.358,28.648 M1.20@12.358,27.378 14.022,27.378 14.525,26.875 v3(14.525,23.4)
  Bottom Layer w0.508: J8.1@3.35,12.05 3.35,14.1 C41.1@3.25,14.2 4.425,14.2 4.825,14.6 4.825,16.9 5.448,17.523 10.623,17.523 13.887,20.787 13.887,22.762 v3(14.525,23.4)
VCC-3V0: C32.2 C33.2 C100.1 J9.5 M1.1 R66.1 R68.1 R71.2 R92.2 R102.1 U5.5 | length 140.6
  Top Layer w0.254: v2(14.065,51.254) 15.796,51.254 16.759,50.291 16.759,44.634 15.675,43.55 v3(15.675,31.525) ; v3(45.1,31.425) v3(52.3,24.225) ; v3(56.2,17.7) 61.425,17.7 62.25,16.875 62.25,13.85 R102.1@62.225,13.825
  Top Layer w0.508: v3(8.553,62.786) 8.553,55.902 12.358,52.097 M1.1@12.358,51.508 12.612,51.254 v2(14.065,51.254)
  Bottom Layer w0.254: J9.5@5.207,24.965 4,24.965 ; R68.1@10.534,18.996 9.645,18.107 6.118,18.107 4,20.225 4,24.965 ; v3(45.1,31.425) 15.775,31.425 v3(15.675,31.525) 5.074,31.525 4,30.451 4,24.965 ; v3(52.3,24.225) 56.034,20.491 56.034,17.866 v3(56.2,17.7)
  Bottom Layer w0.508: v3(8.553,62.786) R71.2@9.493,62.786 9.493,63.827 10.103,64.437 R66.1@11.068,64.437 11.068,65.5 C32.2@11.605,66.037 15.218,66.037 15.32,65.935 ; R92.2@12.358,51.508 13.811,51.508 v2(14.065,51.254) 14.065,52.753 C100.1@13.786,53.032 ; U5.5@15.32,64.513 15.32,65.935 ; C33.2@15.32,66.504 15.32,65.935
VCC-LCD: C9.2 C10.1 C19.2 C20.1 C30.2 C31.1 M1.4 R1.2 R2.2 R3.2 R4.2 R5.2 R6.2 R7.2 R8.2 R11.1 R12.1 R15.1 R16.1 R25.2 R26.2 R27.2 R28.2 R29.2 R30.2 R31.2 R32.2 R35.1 R36.1 R40.1 R41.1 R51.2 R53.2 R54.2 R57.1 R58.2 RT1.2 U1.3 U2.3 U3.3 | length 223
  Top Layer w0.203: v2(36.696,52.295) 39.846,52.295 39.859,52.308 ; v2(42.005,53.896) 42.005,55.699 41.929,55.775 ; v2(42.538,57.756) 42.538,55.814 42.5,55.775 ; v2(44.24,53.819) 44.24,54.035 42.5,55.775 ; v2(47.263,41.145) v2@49.092,41.145 ; v3(49.425,52.6) 49.425,51.841 49.422,51.838 ; v2(50.45,50.425) 52.978,52.953 v2(52.978,54.861) 55.137,57.02 ; v3(50.727,54.303) 50.768,54.262 50.768,52.693 49.913,51.838 49.422,51.838 ; v2(55.035,41.678) 55.035,42.732 56.528,44.225 63.627,44.225 v2(63.874,44.472) v2(63.874,48.206) ; v2(55.137,57.833) 55.137,57.02 ; v2@63.251,50.349 v2(63.251,56.253) 56.647,56.253 55.88,57.02 55.137,57.02 ; 39.859,52.308 39.871,52.321 v2(39.871,55.775) 41.929,55.775 ; 39.859,52.308 40.329,51.838 49.422,51.838 ; 41.929,55.775 42.5,55.775
  Top Layer w0.508: RT1.2@15.564,47.571 15.437,47.698 M1.4@12.358,47.698 10.552,47.698 9.775,48.475 9.775,53.675 7.842,55.608 7.842,63.142 8.986,64.286 21.733,64.286 22.678,63.341 32.255,63.341 v2@33.115,62.481 ; v2(33.166,62.43) v3(39.15,62.43) v2(43.205,62.43) ; v3(54.325,37.65) 54.325,34.831 v3(54.408,34.748)
  Bottom Layer w0.203: R28.2@32.81,53.134 33.609,53.932 34.055,53.932 C20.1@34.719,54.596 ; R26.2@33.115,58.33 33.852,59.067 33.852,60.5 R25.2@33.14,61.211 33.166,61.236 v2(33.166,62.43) ; v2(36.696,52.295) 37.367,51.625 R27.2@37.376,51.625 ; U2.3@38.605,55.781 39.866,55.781 v2(39.871,55.775) ; v3(39.15,62.43) 39.16,62.42 R35.1@39.16,61.16 ; R31.2@42.005,53.159 v2(42.005,53.896) ; v2(42.538,57.756) 42.538,58.391 43.173,59.026 43.846,59.026 44.263,59.443 44.53,59.443 R40.1@44.723,59.636 44.723,59.712 43.25,61.185 R29.2@43.25,61.236 43.205,61.282 v2(43.205,62.43) ; v2(44.24,53.819) 44.875,53.184 R32.2@44.926,53.184 ; v2(47.263,41.145) 47.263,40.245 R53.2@47.436,40.072 ; U3.3@47.894,34.515 48.99,34.515 50.146,35.671 50.146,36.392 51.204,37.45 53,37.45 53.175,37.625 C30.2@53.175,38.375 52.616,38.934 52.616,39.356 R54.2@51.901,40.072 ; R30.2@49.041,58.366 49.041,57.706 49.244,57.502 49.244,55.793 49.745,55.293 49.904,55.293 50.727,54.469 v3(50.727,54.303) 50.768,54.262 50.768,50.743 v2(50.45,50.425) ; R41.1@49.422,53.159 49.425,53.156 v3(49.425,52.6) ; R1.2@50.158,41.788 49.633,41.788 49.422,41.577 49.422,41.323 v2(49.244,41.145) 49.193,41.196 48.632,41.196 48.126,41.701 48.126,45.107 49.422,46.403 50.793,46.403 ; R11.1@52.089,46.403 50.793,46.403 ; R5.2@52.14,49.298 51.886,49.298 50.793,48.206 50.793,46.403 ; v2(52.978,54.861) 52.978,54.81 R15.1@53.638,54.15 ; R2.2@54.362,41.788 54.472,41.678 v2(55.035,41.678) ; R16.1@55.137,57.121 v2(55.137,57.833) ; 57.55,43.693 57.651,43.794 57.651,45.082 57.895,45.325 U1.3@57.895,46.127 57.895,48.595 58.344,49.044 62.427,49.044 ; R8.2@62.357,57.147 62.975,57.147 63.251,56.871 v2(63.251,56.253) ; R3.2@62.427,48.333 62.554,48.206 v2(63.874,48.206) ; R7.2@62.427,49.781 62.971,50.325 v2(63.275,50.325) ; R4.2@63.709,43.515 63.874,43.68 v2(63.874,44.472)
  Bottom Layer w0.254: C20.1@34.719,54.596 35.063,54.596 35.256,54.404 35.698,54.404 36.265,54.97 R36.1@36.265,54.988 36.747,54.988 37.54,55.781 U2.3@38.605,55.781 ; R1.2@50.158,41.788 R12.1@51.67,41.788 51.67,40.302 R54.2@51.901,40.072 52.184,40.072 53.9,41.788 R2.2@54.362,41.788
  Bottom Layer w0.508: 34.719,54.852 C19.2@34.719,55.796 ; C30.2@53.175,38.375 C31.1@54.325,38.375 v3(54.325,37.65) ; R6.2@53.664,57.121 R16.1@55.137,57.121 ; R58.2@54.408,35.472 v3(54.408,34.748) 54.408,34.024 54.421,34.011 R57.1@54.421,32.373 R57.1@54.434,32.386 ; C10.1@56.851,43.693 57.55,43.693 C9.2@58.02,43.693 ; R3.2@62.427,48.333 62.427,49.044 R7.2@62.427,49.781
VCC-WIFI: C51.1 C55.2 C57.1 M1.3 R64.1 R72.1 R73.1 R75.2 R80.1 R87.1 R88.1 R89.1 R90.1 R91.1 U7.9 U7.22 | length 136.4
  Top Layer w0.254: v3@10.893,48.968 v3(10.9,48.975)
  Top Layer w0.508: v3(8.825,33.575) 8.825,18.732 10.032,17.525 13.58,17.525 ; v3@10.893,48.968 M1.3@12.358,48.968 ; R64.1@12.643,9.446 12.643,7.982 13.491,7.134 R72.1@13.582,7.134 13.575,7.127 v3(13.575,6.2) ; R73.1@14.471,3.68 14.526,3.625 v8(15.5,3.625) ; v8(14.625,17.525) 13.58,17.525 ; R80.1@25.241,15.999 24.377,15.999 22.879,17.497 R75.2@22.701,17.497 13.553,17.497 13.58,17.525 ; C55.2@31,15.876 30.991,15.867 30.991,14.041 30.073,13.123 U7.22@29.415,13.123 27.912,13.123 ccw(c27.912,11.763) 26.95,12.725 ccw(c28.543,11.132) 26.29,11.132 U7.9@26.29,2.798 26.29,1.817 v3(26.3,1.807) 26.441,1.666 30.391,1.666 32.375,3.65 C57.1@33.26,3.65 33.25,3.66 C51.1@33.25,5.05 ; R87.1@34.797,7.958 35.733,7.958 v3(35.75,7.975) ; R88.1@34.797,9.482 v3@35.733,9.482 ; R89.1@34.797,10.93 v3@35.733,10.93 ; R90.1@34.797,13.902 v3@35.733,13.902 ; R91.1@34.8,15.402 v3@35.736,15.402
  Bottom Layer w0.508: v3@8.833,33.575 8.833,40.85 9.85,41.867 9.85,47.925 v3(10.9,48.975) ; v8(14.625,17.525) 14.625,10.223 13.575,9.173 v3(13.575,6.2) 13.575,5.55 v8(15.5,3.625) 17.318,1.807 v3(26.3,1.807) 26.317,1.79 34.44,1.79 35.75,3.1 v3(35.75,7.975) v3(35.75,9.499) v3(35.75,10.947) v3(35.75,13.919) v3@35.75,15.415
  other v3: 35.753,15.418
WL-HOST-WAKE: M1.108 U7.13 | length 57.3
  Top Layer w0.254: v3(29.325,21.6) 29.215,21.71 29.215,52.422 32.833,56.041 M1.108@32.833,59.443 ; U7.13@29.415,5.023 30.323,5.023 v3(30.325,5.025)
  Bottom Layer w0.254: v3(29.325,21.6) 30.325,20.6 v3(30.325,5.025)
WL-REG-ON: M1.107 R82.1 U7.12 | length 63.2
  Top Layer w0.254: U7.12@29.415,4.123 v3(30.848,4.123) 30.858,4.133 30.858,5.383 31.95,6.475 R82.1@33.273,6.475 ; v3(30.85,21.65) 30.85,22.175 29.672,23.353 29.672,52.233 33.801,56.362 33.801,59.141 M1.107@34.103,59.443
  Bottom Layer w0.254: v3(30.848,4.123) 30.858,4.133 30.858,5.246 30.848,5.256 30.848,21.648 v3(30.85,21.65)
pads on no net: J10. J10.0 J11. J11.0 M1.6 M1.7 M1.15 M1.16 M1.17 M1.18 M1.21 M1.22 M1.23 M1.24 M1.25 M1.26 M1.27 M1.28 M1.30 M1.31 M1.32 M1.33 M1.39 M1.47 M1.48 M1.49 M1.50 M1.59 M1.60 M1.61 M1.62 M1.77 M1.78 M1.81 M1.82 M1.83 M1.84 M1.85 M1.86 M1.87 M1.88 M1.98 M1.99 M1.100 M1.101 M1.102 M1.104 M1.118 S1.0 U3.8 U3.9 U3.10 U3.11 U3.13 U3.14 U7.3 U7.4 U7.5 U7.8 U7.10 U7.11 U7.25 U7.26 U7.27 U7.28 U7.32 U7.35 U7.37 U7.38 U7.39 U7.40

## Polygon pours and split planes (outlines as drawn)
HPR on Top Layer "top" (solid, remove dead copper, pour order 68): 18.2,60.75 18.275,60.675 18.275,57.325 18.45,57.15 19.275,57.15 19.575,57.45 19.575,60.75 18.225,60.75 18.2,60.775
BT-RST-N on Top Layer "top" (solid, remove dead copper, pour order 36): 21.4,50.25 21.4,26.4 20.65,25.65 20.65,25.1 21.475,25.1 21.475,25.375 22.075,25.975 22.125,26.025 22.125,50.3 21.425,50.3 21.4,50.275 21.4,50.225
WL-HOST-WAKE on Top Layer "top" (solid, remove dead copper, pour order 26): 23.9,7.6 23.9,7.425 25.925,5.4 30.15,5.4 30.15,4.65 25.675,4.65 22.775,7.55 22.825,7.6 23.85,7.6
BT-WAKE on Top Layer "top" (solid, remove dead copper, pour order 14): 28.1,57.625 29.075,57.625 29.1,57.6 29.1,57.3 28.275,56.475 28.275,55.925 23.075,50.725 23.075,26 23.075,25.825 22.45,25.2 22.4,25.15 21.7,25.15 21.7,25.5 22.375,26.175 22.4,26.2 22.4,51.05 27.45,56.1 27.45,56.85 27.45,56.975 28.1,57.625
NetC34_1 on Top Layer "top" (solid, remove dead copper, pour order 88): 7.287,13.336 7.248,13.297 7.248,8.754 8.827,8.754 8.852,8.729 8.832,8.748 8.832,13.452 7.403,13.452 7.287,13.336
GND on Top Layer "Keep-Out Layer-No Net" (solid, pour order 92): 2.525,69.975 73.375,69.975 73.625,69.975 75.9,67.7 76,67.6 76,2.6 76,2.25 73.825,0.075 73.8,0.05 2.4,0.05 2.2,0.05 0.125,2.125 0.012,2.238 0.012,67.274 0.012,67.462 2.525,69.975
HPR on Bottom Layer "top" (solid, remove dead copper, pour order 70): 18.525,58.275 18.6,58.35 21.375,58.35 21.375,56.8 21.325,56.75 21.05,56.75 20.125,55.825 19.55,56.4 19.55,56.5 19.975,56.925 19.975,57.15 18.55,57.15 18.5,57.2 18.5,58.275 18.525,58.3
HPR on Bottom Layer "top" (solid, remove dead copper, pour order 66): 18.225,60.675 18.225,57.6 18.425,57.4 18.7,57.125 19.225,57.125 19.55,57.45 19.55,60.725 18.275,60.725 18.225,60.675
WL-REG-ON on Bottom Layer "top" (solid, remove dead copper, pour order 50): 32.5,56.7 30.825,55.025 30.825,51.175 31.5,51.175 31.475,51.2 31.475,54.75 32.9,56.175 32.95,56.175 32.95,56.25 32.525,56.675
AP-CK32KO on Bottom Layer "top" (solid, remove dead copper, pour order 44): 29.625,57.725 29.625,56.9 29.25,56.525 28.6,55.875 28.6,50.4 29.475,50.4 29.475,55.625 30.45,56.6 30.45,57.75 29.65,57.75
BT-RST-N on Bottom Layer "top" (solid, remove dead copper, pour order 32): 27.725,50.975 23.575,50.975 23.525,51.025 22.175,49.675 22.175,49.55 21.425,49.55 21.325,49.65 21.325,50.175 22.375,51.225 22.9,51.75 28.075,51.75 28.075,51.325 27.725,50.975
BT-RST-N on Bottom Layer "top" (solid, remove dead copper, pour order 28): 31.025,57.975 31.025,57.15 29.775,55.9 29.775,53.925 29.775,53.6 30.025,53.35 30.3,53.35 30.7,53.75 30.625,53.825 30.625,55.75 31.8,56.925 31.8,58.025 31.05,58.025 31.025,58
BT-WAKE on Bottom Layer "top" (solid, remove dead copper, pour order 12): 31.225,62.225 31.2,62.25 30.525,62.25 30.525,61.85 29.825,61.15 28.175,59.5 28.175,57.45 28.175,56.875 28.925,56.875 28.925,59.175 31.225,61.475 31.2,61.5 31.2,62.25
GND on Bottom Layer "Keep-Out Layer-No Net" (solid, pour order 94): 2.1,69.875 73.775,69.875 75.85,67.8 75.95,67.7 75.95,2.45 75.85,2.45 73.375,-0.025 73.275,0.075 2.4,0.075 2.2,0.075 0.125,2.15 0.05,2.225 0.05,67.65 0.05,67.825 2.1,69.875

## Keep-outs
Keep-Out Layer:
  lines w0.2: 0,3.249 0,67.274 ; 0.009,3.249 ccw(c3,3) 3.224,0.007 ; 0.012,67.274 cw(c3,67) 3.025,70 73.076,70 ; 3.224,0 72.95,0 ; 72.95,-0.002 ccw(c73,3) 76,3.125 76,66.757 ; 73.076,69.999 cw(c73,67) 75.99,66.757

## Other copper
Top Layer:
  pour cut-out: 31.8,7.775 33.675,7.775 34.325,8.425 34.325,7.45 34.275,7.45 33.3,6.475 31.95,6.475 31.85,6.575 31.85,7.675
  pour cut-out: 32.425,3.325 32.512,3.238 33.845,3.238 33.845,2.53 33.9,2.475 33.725,2.3 32.375,2.3 32.375,3.05 32.275,3.15 32.225,3.1 32.225,3.225 32.325,3.325
  pour cut-out: 49.825,58.325 49.875,58.275 51.45,58.275 51.45,56.4 51.018,55.968 49.788,55.968 49.65,56.105 49.775,56.23 49.775,58.3
Bottom Layer:
  rectangle net USBVBUS: 8.68,56.385 9.544,56.867
  rectangle net USBVBUS: 10.484,56.385 11.728,56.867
  rectangle net USBVBUS: 10.458,57.096 12.16,57.401
  rectangle net USBVBUS: 7.715,56.69 9.722,57.629
  rectangle net VCC-3V0: 13.862,65.935 15.335,66.672
  pour cut-out: 58.066,5.855 60.68,5.855 61.708,6.883 67.005,6.883 67.005,4.652 66.601,4.249 66.45,4.4 57.675,4.4 57.675,5.464
  pour cut-out: 44.9,6.25 47.85,6.25 48.25,6.65 48.5,6.4 48.825,6.4 48.825,4.83 48.243,4.249 48.192,4.3 44.85,4.3 44.85,6.175 44.875,6.2
  pour cut-out: 70.562,41.881 70.562,32.337 66.725,28.5 66.725,38.025 70.656,41.956
  pour cut-out: 4.3,28.925 9.25,28.925 9.35,28.825 9.291,28.766 9.291,27.945 4.555,27.945 4.125,28.375 4.125,29.05 4.425,29.05 4.6,28.875
  pour cut-out: 4.3,25.775 4.421,25.654 6.01,25.654 6.01,23.535 5.875,23.4 7.105,22.17 7.134,22.17 7.134,20.884 7.025,20.775 6.575,21.225 4.2,21.225 4.2,25.55 4.375,25.725
  pour cut-out: 46.25,56.825 47,57.575 47.25,57.575 47.25,56.925 47.425,56.75 48.05,56.75 48.05,56.664 48.126,56.588 48.125,56.587 48.125,56.2 47.075,56.2 46.45,56.825
  pour cut-out: 32.2,52.875 32.2,50.375 32.275,50.3 41.925,50.3 41.925,50.522 40.347,52.1 33.025,52.1 32.275,52.85
  pour cut-out: 37.959,56.138 39.937,56.138 40.7,55.375 40.475,55.15 40.475,54.25 40.048,54.25 38.198,52.4 37.9,52.4 36.975,53.325 37.855,54.205 37.855,56.068
  pour cut-out: 34.262,56.876 34.253,56.867 34.253,55.431 35.184,55.431 35.477,55.724 35.3,55.902 35.3,56.575 34.563,56.575
  pour cut-out: 16.775,43.7 16.825,43.65 16.825,42.85 22.75,42.85 23.125,43.225 22.275,44.075 22.275,47.4 21.025,48.65 20.45,48.65 20.45,46.979 20.212,46.741 20.212,45.691 20.136,45.691 18.644,44.2 16.975,44.2 16.975,43.725 16.63,43.38
  pour cut-out: 21.05,50.6 21.05,49.15 21.1,49.1 20.025,49.1 20.025,49.65 20.975,50.6
  pour cut-out: 52.425,59.65 68.775,59.65 69.525,58.9 69.625,59 71.025,59 71.075,59.05 71.325,58.8 72.75,58.8 72.75,58.203 72.828,58.125 72.728,58.025 66.675,58.025 65.476,59.224 64.069,59.224 63.483,58.638 52.432,58.638 52.425,58.631
  pour cut-out: 66.425,55.5 68.25,53.675 68.9,54.325 68.9,58.05 66.875,58.05 66.425,58.5
  pour cut-out: 42.489,53.743 42.515,53.769 43.167,53.769 43.167,53.237 42.707,52.776 42.583,52.9 42.4,52.9 42.4,53.501 42.298,53.603
  pour cut-out: 33.549,62.589 33.61,62.65 34.3,62.65 34.3,60.948 33.852,60.5 33.525,60.826 33.525,61.605 33.166,61.964 33.4,62.198 33.4,62.43

## Silkscreen, mask and mechanical layers (free items; w line width, h text height)
Bottom Overlay:
  lines w0.2: 29.575,49.2 29.575,51.1 29.775,51.3 31.95,51.3 31.95,53.975 46.853,53.975 47.009,53.819 47.15,53.678 47.15,50.75 32.275,50.75 31.95,51.075 ; 48.975,50.675 49.65,50 49.65,49.025 ; 49.425,55.825 50.3,56.7 50.3,58.3 ; 23.175,47.275 23.3,47.15 30.9,47.15 31.225,47.475 31.225,48.875 30.95,49.15 23.425,49.15 23.175,48.9 23.175,47.275
Mechanical 13:
  lines w0.2: 2.889,68.653 2.896,68.646

## Text inside footprints (layer, text, board x,y; h text height)
J10: Bottom Overlay "+" at 5.385,55.719 h0.51 r270
J11: Bottom Overlay "+" at 60.593,64.615 h1 r180